# KiCad board gk-pcbv3.kicad_pcb (continued)
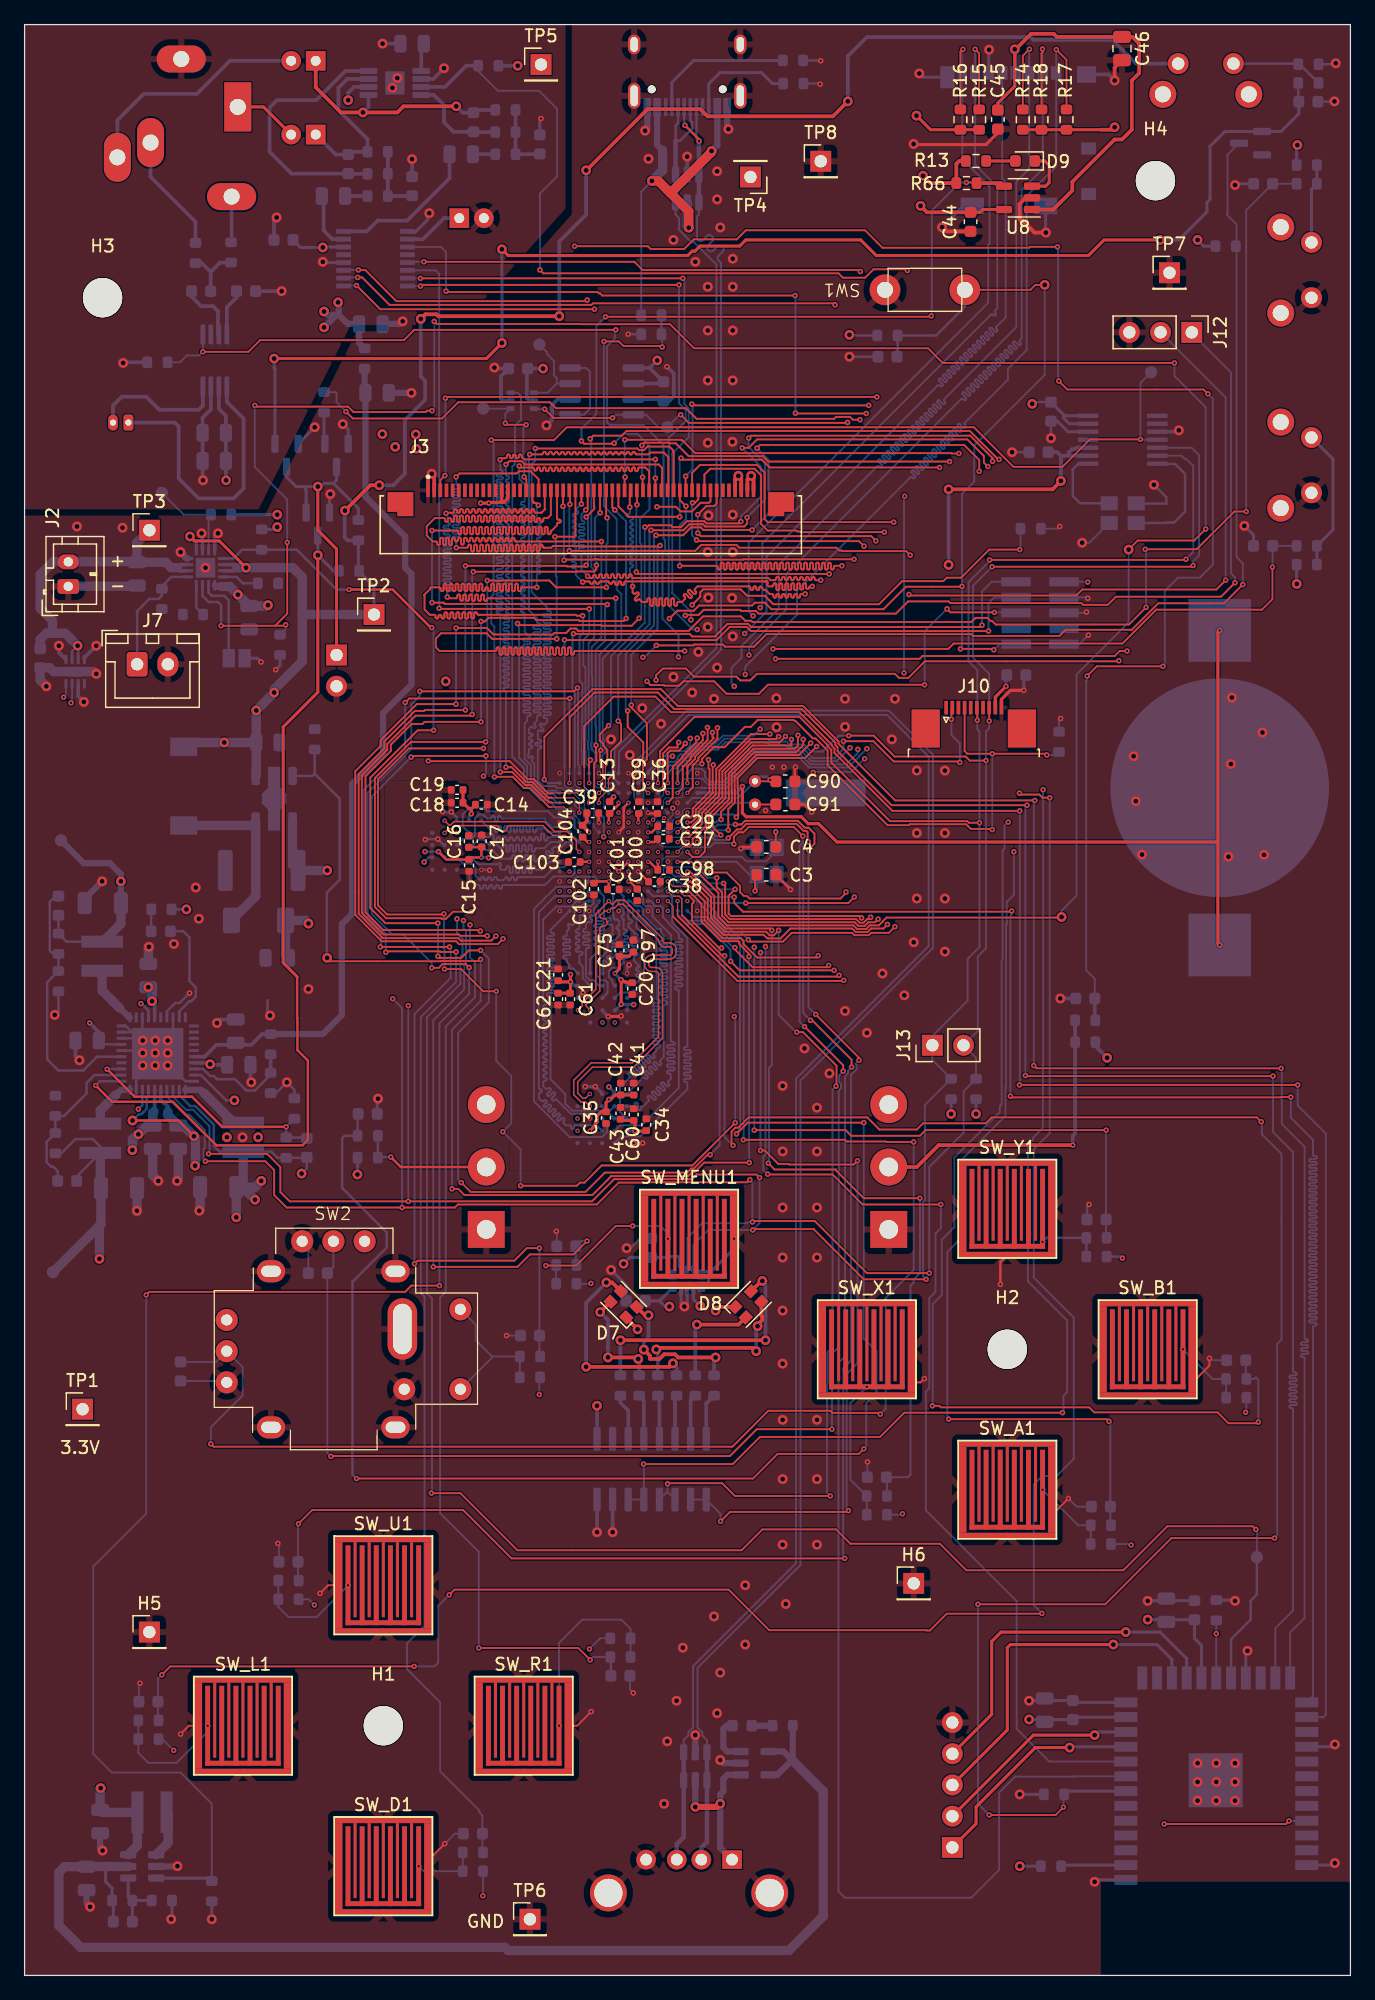
[diagram p0: board, top side]
## Routing (per net, layer and track width the routed paths; a pad name or vN(x,y) marks a point on that pad's centre or on a via; arc(x,y) is an arc through that point) (continued)
LTDC_B5: length 68.6
  Top w0.09: 42.92,95.47 42.96,95.43 v3(44.37,95.43)
  Top w0.152: v1(51.36,123.37) 40.67,123.37 40.58,123.46 arc(40.51,123.49) 40.48,123.56 40.48,123.67 arc(40.45,123.74) 40.38,123.76 40.33,123.76 arc(40.26,123.74) 40.24,123.67 40.24,123.56 arc(40.21,123.49) 40.14,123.46 40.09,123.46 arc(40.02,123.49) 39.99,123.56 39.99,123.67 arc(39.97,123.74) 39.9,123.76 39.85,123.76 arc(39.78,123.74) 39.75,123.67 39.75,123.56 arc(39.72,123.49) 39.65,123.46 39.61,123.46 arc(39.54,123.49) 39.51,123.56 39.51,123.67 arc(39.48,123.74) 39.41,123.76 39.36,123.76 arc(39.3,123.74) 39.27,123.67 39.27,123.56 arc(39.24,123.49) 39.17,123.46 38.83,123.46 v1(38.71,123.34) ; J3.38 51.36,120.86 v1(51.36,121.84) ; 42.92,95.47 42.67,95.47 41.27,96.86 40.77,96.86 39.7,97.93 v1(38.73,97.93)
  Bottom w0.152: v1(38.71,123.34) 38.73,123.32 38.73,122.55 arc(38.76,122.48) 38.83,122.46 38.84,122.46 arc(38.91,122.43) 38.94,122.36 38.94,122.31 arc(38.91,122.24) 38.84,122.21 38.53,122.21 arc(38.46,122.19) 38.44,122.12 38.44,122.07 arc(38.46,122) 38.53,121.97 38.84,121.97 arc(38.91,121.94) 38.94,121.87 38.94,121.83 arc(38.91,121.76) 38.84,121.73 38.53,121.73 arc(38.46,121.7) 38.44,121.63 38.44,121.58 arc(38.46,121.52) 38.53,121.49 38.84,121.49 arc(38.91,121.46) 38.94,121.39 38.94,121.34 arc(38.91,121.27) 38.84,121.24 38.53,121.24 arc(38.46,121.22) 38.44,121.15 38.44,121.1 arc(38.46,121.03) 38.53,121 38.84,121 arc(38.91,120.97) 38.94,120.9 38.94,120.86 arc(38.91,120.79) 38.84,120.76 38.53,120.76 arc(38.46,120.73) 38.44,120.66 38.44,120.61 arc(38.46,120.55) 38.53,120.52 38.84,120.52 arc(38.91,120.49) 38.94,120.42 38.94,120.37 arc(38.91,120.3) 38.84,120.27 38.53,120.27 arc(38.46,120.25) 38.44,120.18 38.44,120.13 arc(38.46,120.06) 38.53,120.03 38.84,120.03 arc(38.91,120) 38.94,119.94 38.94,119.89 arc(38.91,119.82) 38.84,119.79 38.53,119.79 arc(38.46,119.76) 38.44,119.69 38.44,119.64 arc(38.46,119.58) 38.53,119.55 38.84,119.55 arc(38.91,119.52) 38.94,119.45 38.94,119.4 arc(38.91,119.33) 38.84,119.31 38.53,119.31 arc(38.46,119.28) 38.44,119.21 38.44,119.16 arc(38.46,119.09) 38.53,119.06 38.84,119.06 arc(38.91,119.03) 38.94,118.97 38.94,118.92 arc(38.91,118.85) 38.84,118.82 38.53,118.82 arc(38.46,118.79) 38.44,118.72 38.44,118.67 arc(38.46,118.61) 38.53,118.58 38.84,118.58 arc(38.91,118.55) 38.94,118.48 38.94,118.43 arc(38.91,118.36) 38.84,118.34 38.53,118.34 arc(38.46,118.31) 38.44,118.24 38.44,118.19 arc(38.46,118.12) 38.53,118.09 38.84,118.09 arc(38.91,118.06) 38.94,118 38.94,117.95 arc(38.91,117.88) 38.84,117.85 38.53,117.85 arc(38.46,117.82) 38.44,117.75 38.44,117.71 arc(38.46,117.64) 38.53,117.61 38.84,117.61 arc(38.91,117.58) 38.94,117.51 38.94,117.46 arc(38.91,117.39) 38.84,117.37 38.53,117.37 arc(38.46,117.34) 38.44,117.27 38.44,117.22 arc(38.46,117.15) 38.53,117.12 38.84,117.12 arc(38.91,117.1) 38.94,117.03 38.94,116.98 arc(38.91,116.91) 38.84,116.88 38.53,116.88 arc(38.46,116.85) 38.44,116.78 38.44,116.74 arc(38.46,116.67) 38.53,116.64 38.84,116.64 arc(38.91,116.61) 38.94,116.54 38.94,116.49 arc(38.91,116.42) 38.84,116.4 38.53,116.4 arc(38.46,116.37) 38.44,116.3 38.44,116.25 arc(38.46,116.18) 38.53,116.15 38.84,116.15 arc(38.91,116.13) 38.94,116.06 38.94,116.01 arc(38.91,115.94) 38.84,115.91 38.53,115.91 arc(38.46,115.88) 38.44,115.81 38.44,115.77 arc(38.46,115.7) 38.53,115.67 38.84,115.67 arc(38.91,115.64) 38.94,115.57 38.94,115.52 arc(38.91,115.46) 38.84,115.43 38.53,115.43 arc(38.46,115.4) 38.44,115.33 38.44,115.28 arc(38.46,115.21) 38.53,115.18 38.84,115.18 arc(38.91,115.16) 38.94,115.09 38.94,115.04 arc(38.91,114.97) 38.84,114.94 38.53,114.94 arc(38.46,114.91) 38.44,114.84 38.44,114.8 arc(38.46,114.73) 38.53,114.7 38.84,114.7 arc(38.91,114.67) 38.94,114.6 38.94,114.55 arc(38.91,114.49) 38.84,114.46 38.53,114.46 arc(38.46,114.43) 38.44,114.36 38.44,114.31 arc(38.46,114.24) 38.53,114.21 38.84,114.21 arc(38.91,114.19) 38.94,114.12 38.94,114.07 arc(38.91,114) 38.84,113.97 38.53,113.97 arc(38.46,113.94) 38.44,113.88 38.44,113.83 arc(38.46,113.76) 38.53,113.73 38.84,113.73 arc(38.91,113.7) 38.94,113.63 38.94,113.58 arc(38.91,113.52) 38.84,113.49 38.53,113.49 arc(38.46,113.46) 38.44,113.39 38.44,113.34 arc(38.46,113.27) 38.53,113.25 38.84,113.25 arc(38.91,113.22) 38.94,113.15 38.94,113.1 arc(38.91,113.03) 38.84,113 38.53,113 arc(38.46,112.97) 38.44,112.91 38.44,112.86 arc(38.46,112.79) 38.53,112.76 38.84,112.76 arc(38.91,112.73) 38.94,112.66 38.94,112.61 arc(38.91,112.55) 38.84,112.52 38.53,112.52 arc(38.46,112.49) 38.44,112.42 38.44,112.37 arc(38.46,112.3) 38.53,112.28 38.84,112.28 arc(38.91,112.25) 38.94,112.18 38.94,112.13 arc(38.91,112.06) 38.84,112.03 38.53,112.03 arc(38.46,112) 38.44,111.94 38.44,111.89 arc(38.46,111.82) 38.53,111.79 38.84,111.79 arc(38.91,111.76) 38.94,111.69 38.94,111.65 arc(38.91,111.58) 38.84,111.55 38.53,111.55 arc(38.46,111.52) 38.44,111.45 38.44,111.4 arc(38.46,111.33) 38.53,111.31 38.84,111.31 arc(38.91,111.28) 38.94,111.21 38.94,111.16 arc(38.91,111.09) 38.84,111.06 38.53,111.06 arc(38.46,111.04) 38.44,110.97 38.44,110.92 arc(38.46,110.85) 38.53,110.82 38.64,110.82 arc(38.71,110.79) 38.73,110.72 v1(38.73,97.93) ; v1(51.36,123.37) v1(51.36,121.84)
LTDC_B6: length 73.7
  Top w0.152: v1(40.27,122.83) 40.4,122.71 41.37,122.71 arc(41.44,122.68) 41.47,122.61 41.47,122.55 arc(41.5,122.49) 41.57,122.46 41.62,122.46 arc(41.68,122.49) 41.71,122.55 41.71,122.61 arc(41.74,122.68) 41.81,122.71 41.86,122.71 arc(41.93,122.68) 41.96,122.61 41.96,122.5 arc(41.98,122.44) 42.05,122.41 42.1,122.41 arc(42.17,122.44) 42.2,122.5 42.2,122.61 arc(42.23,122.68) 42.3,122.71 42.34,122.71 arc(42.41,122.68) 42.44,122.61 42.44,122.5 arc(42.47,122.44) 42.54,122.41 42.59,122.41 arc(42.65,122.44) 42.68,122.5 42.68,122.61 arc(42.71,122.68) 42.78,122.71 42.83,122.71 arc(42.9,122.68) 42.93,122.61 42.93,122.5 arc(42.95,122.44) 43.02,122.41 43.07,122.41 arc(43.14,122.44) 43.17,122.5 43.17,122.61 arc(43.2,122.68) 43.26,122.71 43.31,122.71 arc(43.38,122.68) 43.41,122.61 43.41,122.5 arc(43.44,122.44) 43.51,122.41 43.56,122.41 arc(43.62,122.44) 43.65,122.5 43.65,122.61 arc(43.68,122.68) 43.75,122.71 43.8,122.71 arc(43.87,122.68) 43.89,122.61 43.89,122.5 arc(43.92,122.44) 43.99,122.41 44.04,122.41 arc(44.11,122.44) 44.14,122.5 44.14,122.61 arc(44.17,122.68) 44.23,122.71 44.28,122.71 arc(44.35,122.68) 44.38,122.61 44.38,122.5 arc(44.41,122.44) 44.48,122.41 44.53,122.41 arc(44.59,122.44) 44.62,122.5 44.62,122.61 arc(44.65,122.68) 44.72,122.71 44.77,122.71 arc(44.84,122.68) 44.86,122.61 44.86,122.5 arc(44.89,122.44) 44.96,122.41 45.01,122.41 arc(45.08,122.44) 45.11,122.5 45.11,122.61 arc(45.14,122.68) 45.2,122.71 45.25,122.71 arc(45.32,122.68) 45.35,122.61 45.35,122.5 arc(45.38,122.44) 45.45,122.41 45.49,122.41 arc(45.56,122.44) 45.59,122.5 45.59,122.61 arc(45.62,122.68) 45.69,122.71 45.74,122.71 arc(45.81,122.68) 45.83,122.61 45.83,122.5 arc(45.86,122.44) 45.93,122.41 45.98,122.41 arc(46.05,122.44) 46.08,122.5 46.08,122.61 arc(46.1,122.68) 46.17,122.71 46.22,122.71 arc(46.29,122.68) 46.32,122.61 46.32,122.5 arc(46.35,122.44) 46.42,122.41 46.46,122.41 arc(46.53,122.44) 46.56,122.5 46.56,122.61 arc(46.59,122.68) 46.66,122.71 46.71,122.71 arc(46.78,122.68) 46.8,122.61 46.8,122.5 arc(46.83,122.44) 46.9,122.41 46.95,122.41 arc(47.02,122.44) 47.05,122.5 47.05,122.61 arc(47.07,122.68) 47.14,122.71 47.19,122.71 arc(47.26,122.68) 47.29,122.61 47.29,122.5 arc(47.32,122.44) 47.39,122.41 47.43,122.41 arc(47.5,122.44) 47.53,122.5 47.53,122.61 arc(47.56,122.68) 47.63,122.71 47.68,122.71 arc(47.74,122.68) 47.77,122.61 47.77,122.5 arc(47.8,122.44) 47.87,122.41 47.92,122.41 arc(47.99,122.44) 48.02,122.5 48.02,122.61 arc(48.04,122.68) 48.11,122.71 48.16,122.71 arc(48.23,122.68) 48.26,122.61 48.26,122.5 arc(48.29,122.44) 48.36,122.41 48.4,122.41 arc(48.47,122.44) 48.5,122.5 48.5,122.61 arc(48.53,122.68) 48.6,122.71 48.65,122.71 arc(48.71,122.68) 48.74,122.61 48.74,122.5 arc(48.77,122.44) 48.84,122.41 48.89,122.41 arc(48.96,122.44) 48.99,122.5 48.99,122.61 arc(49.01,122.68) 49.08,122.71 49.13,122.71 arc(49.2,122.68) 49.23,122.61 49.23,122.5 arc(49.26,122.44) 49.32,122.41 49.37,122.41 arc(49.44,122.44) 49.47,122.5 49.47,122.61 arc(49.5,122.68) 49.57,122.71 49.62,122.71 arc(49.68,122.68) 49.71,122.61 49.71,122.5 arc(49.74,122.44) 49.81,122.41 49.86,122.41 arc(49.93,122.44) 49.95,122.5 49.95,122.61 arc(49.98,122.68) 50.05,122.71 50.55,122.71 50.85,122.4 J3.37
  Bottom w0.09: 43.38,95.82 44.65,95.82 44.8,95.67 44.8,95.24 45.03,95.01 45.31,95.01 45.53,94.78 45.53,94.26 U4.F12
  Bottom w0.152: 43.38,95.82 43.05,96.15 42.23,96.15 41.22,97.16 41.22,98.48 40.72,98.99 40.72,101.88 40.92,102.08 40.92,102.41 arc(40.95,102.47) 41.02,102.5 41.12,102.5 arc(41.19,102.53) 41.22,102.6 41.22,102.65 arc(41.19,102.72) 41.12,102.74 40.72,102.74 arc(40.65,102.77) 40.62,102.84 40.62,102.89 arc(40.65,102.96) 40.72,102.99 41.07,102.99 arc(41.14,103.02) 41.17,103.08 41.17,103.13 arc(41.14,103.2) 41.07,103.23 40.72,103.23 arc(40.65,103.26) 40.62,103.33 40.62,103.37 arc(40.65,103.44) 40.72,103.47 41.07,103.47 arc(41.14,103.5) 41.17,103.57 41.17,103.62 arc(41.14,103.69) 41.07,103.71 40.72,103.71 arc(40.65,103.74) 40.62,103.81 40.62,103.86 arc(40.65,103.93) 40.72,103.96 41.07,103.96 arc(41.14,103.98) 41.17,104.05 41.17,104.1 arc(41.14,104.17) 41.07,104.2 40.72,104.2 arc(40.65,104.23) 40.62,104.3 40.62,104.34 arc(40.65,104.41) 40.72,104.44 41.07,104.44 arc(41.14,104.47) 41.17,104.54 41.17,104.59 arc(41.14,104.66) 41.07,104.68 40.72,104.68 arc(40.65,104.71) 40.62,104.78 40.62,104.83 arc(40.65,104.9) 40.72,104.93 41.07,104.93 arc(41.14,104.95) 41.17,105.02 41.17,105.07 arc(41.14,105.14) 41.07,105.17 40.72,105.17 arc(40.65,105.2) 40.62,105.27 40.62,105.31 arc(40.65,105.38) 40.72,105.41 41.07,105.41 arc(41.14,105.44) 41.17,105.51 41.17,105.56 arc(41.14,105.62) 41.07,105.65 40.72,105.65 arc(40.65,105.68) 40.62,105.75 40.62,105.8 arc(40.65,105.87) 40.72,105.9 41.07,105.9 arc(41.14,105.92) 41.17,105.99 41.17,106.04 arc(41.14,106.11) 41.07,106.14 40.72,106.14 arc(40.65,106.17) 40.62,106.24 40.62,106.28 arc(40.65,106.35) 40.72,106.38 41.07,106.38 arc(41.14,106.41) 41.17,106.48 41.17,106.53 arc(41.14,106.59) 41.07,106.62 40.72,106.62 arc(40.65,106.65) 40.62,106.72 40.62,106.77 arc(40.65,106.84) 40.72,106.87 41.07,106.87 arc(41.14,106.89) 41.17,106.96 41.17,107.01 arc(41.14,107.08) 41.07,107.11 40.72,107.11 arc(40.65,107.14) 40.62,107.2 40.62,107.25 arc(40.65,107.32) 40.72,107.35 41.07,107.35 arc(41.14,107.38) 41.17,107.45 41.17,107.5 arc(41.14,107.56) 41.07,107.59 40.72,107.59 arc(40.65,107.62) 40.62,107.69 40.62,107.74 arc(40.65,107.81) 40.72,107.83 41.07,107.83 arc(41.14,107.86) 41.17,107.93 41.17,107.98 arc(41.14,108.05) 41.07,108.08 40.72,108.08 arc(40.65,108.11) 40.62,108.17 40.62,108.22 arc(40.65,108.29) 40.72,108.32 41.07,108.32 arc(41.14,108.35) 41.17,108.42 41.17,108.47 arc(41.14,108.53) 41.07,108.56 40.72,108.56 arc(40.65,108.59) 40.62,108.66 40.62,108.71 arc(40.65,108.78) 40.72,108.8 41.07,108.8 arc(41.14,108.83) 41.17,108.9 41.17,108.95 arc(41.14,109.02) 41.07,109.05 41.02,109.05 arc(40.95,109.08) 40.92,109.14 40.72,109.35 40.72,110.82 arc(40.69,110.89) 40.62,110.92 40.51,110.92 arc(40.44,110.95) 40.42,111.02 40.42,111.07 arc(40.44,111.14) 40.51,111.16 40.62,111.16 arc(40.69,111.19) 40.72,111.26 40.72,111.31 arc(40.69,111.38) 40.62,111.41 40.51,111.41 arc(40.44,111.43) 40.42,111.5 40.42,111.55 arc(40.44,111.62) 40.51,111.65 40.62,111.65 arc(40.69,111.68) 40.72,111.75 40.72,111.79 arc(40.69,111.86) 40.62,111.89 40.51,111.89 arc(40.44,111.92) 40.42,111.99 40.42,112.04 arc(40.44,112.1) 40.51,112.13 40.62,112.13 arc(40.69,112.16) 40.72,112.23 40.72,112.28 arc(40.69,112.35) 40.62,112.38 40.51,112.38 arc(40.44,112.4) 40.42,112.47 40.42,112.52 arc(40.44,112.59) 40.51,112.62 40.62,112.62 arc(40.69,112.65) 40.72,112.72 40.72,112.76 arc(40.69,112.83) 40.62,112.86 40.51,112.86 arc(40.44,112.89) 40.42,112.96 40.42,113.01 arc(40.44,113.07) 40.51,113.1 40.62,113.1 arc(40.69,113.13) 40.72,113.2 40.72,113.25 arc(40.69,113.32) 40.62,113.35 40.51,113.35 arc(40.44,113.37) 40.42,113.44 40.42,113.49 arc(40.44,113.56) 40.51,113.59 40.62,113.59 arc(40.69,113.62) 40.72,113.68 40.72,113.73 arc(40.69,113.8) 40.62,113.83 40.51,113.83 arc(40.44,113.86) 40.42,113.93 40.42,113.98 arc(40.44,114.04) 40.51,114.07 40.62,114.07 arc(40.69,114.1) 40.72,114.17 40.72,114.22 arc(40.69,114.29) 40.62,114.31 40.51,114.31 arc(40.44,114.34) 40.42,114.41 40.42,114.46 arc(40.44,114.53) 40.51,114.56 40.62,114.56 arc(40.69,114.59) 40.72,114.65 40.72,114.7 arc(40.69,114.77) 40.62,114.8 40.51,114.8 arc(40.44,114.83) 40.42,114.9 40.42,114.95 arc(40.44,115.01) 40.51,115.04 40.62,115.04 arc(40.69,115.07) 40.72,115.14 40.72,115.19 arc(40.69,115.26) 40.62,115.28 40.51,115.28 arc(40.44,115.31) 40.42,115.38 40.42,115.43 arc(40.44,115.5) 40.51,115.53 40.62,115.53 arc(40.69,115.56) 40.72,115.62 40.72,115.67 arc(40.69,115.74) 40.62,115.77 40.51,115.77 arc(40.44,115.8) 40.42,115.87 40.42,115.91 arc(40.44,115.98) 40.51,116.01 40.62,116.01 arc(40.69,116.04) 40.72,116.11 40.72,116.16 arc(40.69,116.23) 40.62,116.25 40.51,116.25 arc(40.44,116.28) 40.42,116.35 40.42,116.4 arc(40.44,116.47) 40.51,116.5 40.62,116.5 arc(40.69,116.52) 40.72,116.59 40.72,116.64 arc(40.69,116.71) 40.62,116.74 40.51,116.74 arc(40.44,116.77) 40.42,116.84 40.42,116.88 arc(40.44,116.95) 40.51,116.98 40.62,116.98 arc(40.69,117.01) 40.72,117.08 40.72,117.13 arc(40.69,117.2) 40.62,117.22 40.51,117.22 arc(40.44,117.25) 40.42,117.32 40.42,117.37 arc(40.44,117.44) 40.51,117.47 40.62,117.47 arc(40.69,117.49) 40.72,117.56 40.72,117.61 arc(40.69,117.68) 40.62,117.71 40.51,117.71 arc(40.44,117.74) 40.42,117.81 40.42,117.85 arc(40.44,117.92) 40.51,117.95 40.62,117.95 arc(40.69,117.98) 40.72,118.05 40.72,118.1 arc(40.69,118.16) 40.62,118.19 40.51,118.19 arc(40.44,118.22) 40.42,118.29 40.42,118.34 arc(40.44,118.41) 40.51,118.44 40.62,118.44 arc(40.69,118.46) 40.72,118.53 40.72,118.58 arc(40.69,118.65) 40.62,118.68 40.51,118.68 arc(40.44,118.71) 40.42,118.78 40.42,118.82 arc(40.44,118.89) 40.51,118.92 40.62,118.92 arc(40.69,118.95) 40.72,119.02 40.72,119.07 arc(40.69,119.13) 40.62,119.16 40.51,119.16 arc(40.44,119.19) 40.42,119.26 40.42,119.31 arc(40.44,119.38) 40.51,119.41 40.62,119.41 arc(40.69,119.43) 40.72,119.5 40.72,119.55 arc(40.69,119.62) 40.62,119.65 40.51,119.65 arc(40.44,119.68) 40.42,119.74 40.42,119.79 arc(40.44,119.86) 40.51,119.89 40.62,119.89 arc(40.69,119.92) 40.72,119.99 40.72,121.34 40.27,121.78 v1(40.27,122.83)
LTDC_B7: length 89
  Top w0.152: v1(68.88,86.11) 68.73,85.95 68.6,85.95 68.31,85.66 67.98,85.66 67.69,85.95 57.42,85.95 57.04,86.33 57.04,88.73 v1(56.91,88.86) ; v1(50.27,124.51) 50.48,124.73 52.48,124.73 52.53,124.67 53.02,124.67 54.06,123.63 60.1,123.63 60.54,123.19 v1(75.31,123.19) ; v1(50.32,121.92) 50.32,120.88 J3.36
  In3.Cu w0.152: v1(68.88,86.11) 68.88,97.36 70,98.48 70,105.56 74.55,110.11 74.55,122.05 75.31,122.81 v1(75.31,123.19)
  Bottom w0.152: U4.L4 52.54,89.83 52.95,89.42 55.11,89.42 55.67,88.86 v1(56.91,88.86) ; v1(50.27,124.51) 50.27,121.97 v1(50.32,121.92)
LTDC_CLK: length 73.2
  Top w0.152: v1(57.95,94.25) 58.11,94.4 58.11,96.53 58.05,96.59 58.05,97.45 59.66,99.06 63.55,99.06 v1(64.49,100) ; v1(42.34,127.46) 43.05,126.75 v1(47.88,126.75) ; v1(67.01,126.38) 66.97,126.34 54.08,126.34 v1(53.42,127)
  In3.Cu w0.152: v1(64.49,100) 64.49,100.36 64.31,100.53 64.31,107.9 66.95,110.54 66.95,111.76 67.08,111.89 67.08,126.3 v1(67.01,126.38)
  Bottom w0.09: 55.01,94.93 54.98,94.96 53.79,94.96 53.59,94.75 53.59,94.58 53.26,94.25 53.03,94.25 52.77,93.99 52.77,93.71 52.49,93.43 52.27,93.43 51.86,93.03 U4.G5
  Bottom w0.152: v1(47.88,126.75) 48.13,127 U3.4 50.6,127 51.61,125.98 TP9.1 53.34,127 v1(53.42,127) ; 41.46,127.49 41.5,127.46 v1(42.34,127.46) ; 55.01,94.93 55.41,94.93 55.87,94.47 57.73,94.47 v1(57.95,94.25)
LTDC_CLK_OUT: length 11
  Top w0.152: v1(40.67,121.95) 40.85,121.76 J3.17 ; v1(40.84,126.19) 39.27,126.19 v1(39.14,126.31)
  Bottom w0.152: v1(40.67,121.95) 40.67,122.94 40.79,123.06 40.79,123.32 40.61,123.49 40.61,125.96 v1(40.84,126.19) ; TP11.1 37.35,127.49 39.56,127.49 39.14,127.07 v1(39.14,126.31)
LTDC_CLK_SELECT: length 39.3
  Bottom w0.09: U4.F13 45.17,94.03 44.72,94.47 44.72,94.71 44.49,94.94 43.32,94.94 43.3,94.96
  Bottom w0.152: 43.3,94.96 43.3,94.98 42.64,95.64 42.02,95.64 40.67,97 40.67,98.22 39.71,99.18 39.71,122.77 39.89,122.95 39.89,122.99 39.93,123.03 39.93,126.11 40.41,126.59 40.41,128.52 40.14,128.79 U13.6
LTDC_DE: length 101.3
  Top w0.152: v1(34.26,128.35) 34.37,128.45 v1(69.39,128.45) ; v1(67.56,87.76) 67.07,87.26 v1(58.72,87.26) ; v1(34.21,122.05) 33.85,121.68 J3.3
  In3.Cu w0.152: v1(67.56,87.76) 67.56,97.03 69.47,98.93 69.47,99.36 69.49,99.38 69.49,105.87 73.76,110.13 73.76,124.08 v1(69.39,128.45)
  Bottom w0.152: v1(34.26,128.35) 34.26,122.1 v1(34.21,122.05) ; v1(58.72,87.26) 55.95,87.26 54.98,88.23 U4.N1
LTDC_G0: length 64.5
  Top w0.152: J3.35 49.86,120.84 v1(49.86,119.68) ; v1(56.68,92.8) 56.02,93.46 56.02,94.37 57.35,95.69 57.35,96.1 57.33,96.12 57.33,97.8 59.35,99.82 62.71,99.82 62.97,100.08 v1(62.97,100.91) ; v1(65.51,114.05) 49.96,114.05 v1(49.81,114.2)
  In3.Cu w0.152: v1(62.97,100.91) 62.97,101.49 arc(62.94,101.56) 62.87,101.59 62.86,101.59 arc(62.79,101.62) 62.77,101.68 62.77,101.73 arc(62.79,101.8) 62.86,101.83 62.87,101.83 arc(62.94,101.86) 62.97,101.93 62.97,101.98 arc(62.94,102.04) 62.87,102.07 62.86,102.07 arc(62.79,102.1) 62.77,102.17 62.77,102.22 arc(62.79,102.29) 62.86,102.31 62.87,102.31 arc(62.94,102.34) 62.97,102.41 62.97,102.46 arc(62.94,102.53) 62.87,102.56 62.86,102.56 arc(62.79,102.59) 62.77,102.65 62.77,102.7 arc(62.79,102.77) 62.86,102.8 62.87,102.8 arc(62.94,102.83) 62.97,102.9 62.97,102.95 arc(62.94,103.01) 62.87,103.04 62.86,103.04 arc(62.79,103.07) 62.77,103.14 62.77,103.19 arc(62.79,103.26) 62.86,103.28 62.87,103.28 arc(62.94,103.31) 62.97,103.38 62.97,103.43 arc(62.94,103.5) 62.87,103.53 62.86,103.53 arc(62.79,103.56) 62.77,103.62 62.77,103.67 arc(62.79,103.74) 62.86,103.77 62.87,103.77 arc(62.94,103.8) 62.97,103.87 62.97,103.91 arc(62.94,103.98) 62.87,104.01 62.86,104.01 arc(62.79,104.04) 62.77,104.11 62.77,104.16 arc(62.79,104.23) 62.86,104.25 62.87,104.25 arc(62.94,104.28) 62.97,104.35 62.97,104.4 arc(62.94,104.47) 62.87,104.5 62.86,104.5 arc(62.79,104.52) 62.77,104.59 62.77,104.64 arc(62.79,104.71) 62.86,104.74 62.87,104.74 arc(62.94,104.77) 62.97,104.84 62.97,104.88 arc(62.94,104.95) 62.87,104.98 62.86,104.98 arc(62.79,105.01) 62.77,105.08 62.77,105.13 arc(62.79,105.2) 62.86,105.22 62.87,105.22 arc(62.94,105.25) 62.97,105.32 62.97,105.37 arc(62.94,105.44) 62.87,105.47 62.86,105.47 arc(62.79,105.49) 62.77,105.56 62.77,105.61 arc(62.79,105.68) 62.86,105.71 62.87,105.71 arc(62.94,105.74) 62.97,105.81 62.97,105.85 arc(62.94,105.92) 62.87,105.95 62.86,105.95 arc(62.79,105.98) 62.77,106.05 62.77,106.1 arc(62.79,106.16) 62.86,106.19 62.87,106.19 arc(62.94,106.22) 62.97,106.29 62.97,106.34 arc(62.94,106.41) 62.87,106.44 62.86,106.44 arc(62.79,106.46) 62.77,106.53 62.77,106.58 arc(62.79,106.65) 62.86,106.68 62.87,106.68 arc(62.94,106.71) 62.97,106.78 62.97,106.82 arc(62.94,106.89) 62.87,106.92 62.86,106.92 arc(62.79,106.95) 62.77,107.02 62.77,107.07 arc(62.79,107.13) 62.86,107.16 62.87,107.16 arc(62.94,107.19) 62.97,107.26 62.97,107.31 arc(62.94,107.38) 62.87,107.41 62.86,107.41 arc(62.79,107.43) 62.77,107.5 62.77,107.55 arc(62.79,107.62) 62.86,107.65 62.87,107.65 arc(62.94,107.68) 62.97,107.74 62.97,107.79 arc(62.94,107.86) 62.87,107.89 62.86,107.89 arc(62.79,107.92) 62.77,107.99 62.77,108.04 arc(62.79,108.1) 62.86,108.13 62.87,108.13 arc(62.94,108.16) 62.97,108.23 63.28,108.54 arc(63.31,108.61) 63.28,108.68 63.27,108.68 arc(63.24,108.75) 63.27,108.82 63.31,108.85 arc(63.38,108.88) 63.44,108.85 63.45,108.85 arc(63.52,108.82) 63.59,108.85 63.62,108.88 arc(63.65,108.95) 63.62,109.02 63.62,109.02 arc(63.59,109.09) 63.62,109.16 63.65,109.2 arc(63.72,109.22) 63.79,109.2 63.79,109.19 arc(63.86,109.16) 63.93,109.19 63.96,109.23 arc(63.99,109.29) 63.96,109.36 63.96,109.37 arc(63.93,109.44) 63.96,109.5 63.99,109.54 arc(64.06,109.57) 64.13,109.54 64.13,109.53 arc(64.2,109.51) 64.27,109.53 64.31,109.57 arc(64.33,109.64) 64.31,109.71 64.3,109.71 arc(64.27,109.78) 64.3,109.85 64.34,109.88 arc(64.4,109.91) 64.47,109.88 64.48,109.88 arc(64.55,109.85) 64.61,109.88 64.65,109.91 arc(64.68,109.98) 64.65,110.05 64.64,110.05 arc(64.62,110.12) 64.64,110.19 64.68,110.22 arc(64.75,110.25) 64.82,110.22 64.82,110.22 arc(64.89,110.19) 64.96,110.22 64.99,110.25 arc(65.02,110.32) 64.99,110.39 64.99,110.4 arc(64.96,110.46) 64.99,110.53 65.02,110.57 arc(65.09,110.6) 65.16,110.57 65.16,110.56 arc(65.23,110.53) 65.3,110.56 65.51,110.77 65.51,110.94 arc(65.48,111) 65.41,111.03 65.3,111.03 arc(65.23,111.06) 65.21,111.13 65.21,111.18 arc(65.23,111.25) 65.3,111.28 65.71,111.28 arc(65.78,111.3) 65.81,111.37 65.81,111.42 arc(65.78,111.49) 65.71,111.52 65.3,111.52 arc(65.23,111.55) 65.21,111.61 65.21,111.66 arc(65.23,111.73) 65.3,111.76 65.71,111.76 arc(65.78,111.79) 65.81,111.86 65.81,111.91 arc(65.78,111.97) 65.71,112 65.3,112 arc(65.23,112.03) 65.21,112.1 65.21,112.15 arc(65.23,112.22) 65.3,112.24 65.71,112.24 arc(65.78,112.27) 65.81,112.34 65.81,112.39 arc(65.78,112.46) 65.71,112.49 65.3,112.49 arc(65.23,112.52) 65.21,112.58 65.21,112.63 arc(65.23,112.7) 65.3,112.73 65.71,112.73 arc(65.78,112.76) 65.81,112.83 65.81,112.88 arc(65.78,112.94) 65.71,112.97 65.3,112.97 arc(65.23,113) 65.21,113.07 65.21,113.12 arc(65.23,113.19) 65.3,113.21 65.41,113.21 arc(65.48,113.24) 65.51,113.31 v1(65.51,114.05)
  Bottom w0.09: U4.H4 52.76,92.62 53.36,92.62 53.56,92.82 53.56,92.9 53.59,92.93 53.59,93.23 53.76,93.41 54.91,93.41
  Bottom w0.152: v1(49.81,114.2) 49.81,119.63 v1(49.86,119.68) ; v1(56.68,92.8) 56.61,92.72 56.25,92.72 56.1,92.87 55.8,92.87 55.26,93.41 54.91,93.41
LTDC_G1: length 64.2
  Top w0.09: 54.04,92.62 53.56,92.62 v3(53.17,92.23)
  Top w0.152: v1(63.55,112.42) 63.24,112.42 arc(63.18,112.39) 63.15,112.32 63.15,112.22 arc(63.12,112.15) 63.05,112.12 63,112.12 arc(62.93,112.15) 62.91,112.22 62.91,112.32 arc(62.88,112.39) 62.81,112.42 62.76,112.42 arc(62.69,112.39) 62.66,112.32 62.66,112.22 arc(62.63,112.15) 62.57,112.12 62.52,112.12 arc(62.45,112.15) 62.42,112.22 62.42,112.32 arc(62.39,112.39) 62.32,112.42 62.28,112.42 arc(62.21,112.39) 62.18,112.32 62.18,112.22 arc(62.15,112.15) 62.08,112.12 62.03,112.12 arc(61.96,112.15) 61.94,112.22 61.94,112.32 arc(61.91,112.39) 61.84,112.42 61.79,112.42 arc(61.72,112.39) 61.69,112.32 61.69,112.22 arc(61.66,112.15) 61.6,112.12 61.55,112.12 arc(61.48,112.15) 61.45,112.22 61.45,112.32 arc(61.42,112.39) 61.35,112.42 61.31,112.42 arc(61.24,112.39) 61.21,112.32 61.21,112.22 arc(61.18,112.15) 61.11,112.12 61.06,112.12 arc(60.99,112.15) 60.97,112.22 60.97,112.32 arc(60.94,112.39) 60.87,112.42 60.66,112.42 60.33,112.75 60.2,112.75 59.92,113.03 arc(59.85,113) 59.82,112.93 59.82,112.83 arc(59.79,112.76) 59.72,112.73 59.68,112.73 arc(59.61,112.76) 59.58,112.83 59.58,112.93 arc(59.55,113) 59.48,113.03 59.43,113.03 arc(59.37,113) 59.34,112.93 59.34,112.83 arc(59.31,112.76) 59.24,112.73 59.19,112.73 arc(59.12,112.76) 59.09,112.83 59.09,112.93 arc(59.07,113) 59,113.03 54.79,113.03 54.58,112.83 arc(54.56,112.76) 54.58,112.69 54.66,112.61 arc(54.69,112.55) 54.66,112.48 54.62,112.44 arc(54.56,112.41) 54.49,112.44 54.2,112.73 arc(54.13,112.76) 54.06,112.73 54.03,112.7 arc(54,112.63) 54.03,112.56 54.32,112.27 arc(54.34,112.2) 54.32,112.13 54.28,112.1 arc(54.21,112.07) 54.14,112.1 53.86,112.39 arc(53.79,112.42) 53.72,112.39 53.69,112.35 arc(53.66,112.28) 53.69,112.22 53.76,112.14 arc(53.79,112.07) 53.76,112 53.52,111.76 53.23,111.76 arc(53.16,111.73) 53.13,111.66 53.13,111.56 arc(53.1,111.49) 53.03,111.46 52.98,111.46 arc(52.91,111.49) 52.89,111.56 52.89,111.96 arc(52.86,112.03) 52.79,112.06 52.74,112.06 arc(52.67,112.03) 52.64,111.96 52.64,111.56 arc(52.62,111.49) 52.55,111.46 52.5,111.46 arc(52.43,111.49) 52.4,111.56 52.4,111.96 arc(52.37,112.03) 52.3,112.06 52.26,112.06 arc(52.19,112.03) 52.16,111.96 52.16,111.56 arc(52.13,111.49) 52.06,111.46 52.01,111.46 arc(51.94,111.49) 51.92,111.56 51.92,111.96 arc(51.89,112.03) 51.82,112.06 51.77,112.06 arc(51.7,112.03) 51.67,111.96 51.67,111.56 arc(51.65,111.49) 51.58,111.46 51.53,111.46 arc(51.46,111.49) 51.43,111.56 51.43,111.96 arc(51.4,112.03) 51.33,112.06 51.29,112.06 arc(51.22,112.03) 51.19,111.96 51.19,111.56 arc(51.16,111.49) 51.09,111.46 51.04,111.46 arc(50.98,111.49) 50.95,111.56 50.95,111.96 arc(50.92,112.03) 50.85,112.06 50.8,112.06 arc(50.73,112.03) 50.7,111.96 50.7,111.86 arc(50.68,111.79) 50.61,111.76 50.29,111.76 50.09,111.97 arc(50.02,112) 49.95,111.97 49.87,111.89 arc(49.8,111.86) 49.74,111.89 49.7,111.93 arc(49.67,111.99) 49.7,112.06 49.99,112.35 arc(50.02,112.42) 49.99,112.49 49.95,112.52 arc(49.89,112.55) 49.82,112.52 49.74,112.45 arc(49.67,112.42) 49.61,112.45 49.5,112.55 v1(49.5,113.03) ; v1(61.39,100.81) 61.18,100.61 59.11,100.61 56.57,98.07 56.57,96.24 56.53,96.21 56.53,96 55.15,94.61 55.15,93.7 54.07,92.62 54.04,92.62 ; J3.34 49.28,120.77 v1(49.28,119.48)
  In3.Cu w0.152: v1(61.39,100.81) 61.9,101.33 61.9,108.81 63.55,110.46 v1(63.55,112.42)